# KiCad board Rogelio Pineda part 8-AMLDC-2044B.kicad_pcb (continued)
## Routing (per net, layer and track width the routed paths; a pad name or vN(x,y) marks a point on that pad's centre or on a via; arc(x,y) is an arc through that point) (continued)
V0p1: length 52.8
  Bottom w0.15: UV0.1 110.25,66.46 112.06,67.59 113.47,67.97 113.9,68.09 114.47,68.24 117.16,68.59 118.49,68.59 125.5,68.53 130.39,68.75 133.49,68.67 136.73,68.1 138.26,67.61 140.83,66.65 142.06,66.4 142.57,66.31 143.52,66.44 144.75,66.72 146.89,67.29 148,67.49 149.38,67.48 155.12,67.52 156.49,67.44 157.37,66.76 UV1.5 UV1.6
V0p4: length 36.8
  Bottom w0.15: 150.71,65.8 150.8,64.83 150.84,64.34 ; 150.84,64.34 150.85,64.35 ; 150.84,64.34 150.72,63.84 149.82,63.17 149.63,63.07 148.43,62.6 147.52,62.62 144.81,62.67 143.89,62.73 142.96,62.88 139.97,63.24 138.34,63.73 135.99,64.72 133.97,65.61 131.53,66.57 129.71,66.92 126.69,67.37 125.59,67.34 121.91,67.36 121.37,67.39 119.42,67.38 118.08,66.79 UV0.4
V0p9: length 168.8
  Top w0.15: 153.84,81.16 153.79,81.1 v1(153.72,81.1) 153.72,81.03 153.65,80.97 153.65,80.75 153.3,80.4 153.3,74.86 153.25,74.81 UV1.12
  Bottom w0.15: v1(153.72,81.1) 155.28,81.1 ; UV4.8 275.75,71.71 275.61,71.54 275.45,71.36 274.18,70.55 271.86,69.83 269.38,69.78 267.98,69.79 266.79,69.78 255.94,69.91 254.61,69.92 247.99,69.98 247.97,70.01 239.66,69.92 237.42,69.93 229.08,70.02 226.43,69.91 221.93,69.54 219.32,69.38 217.07,69.06 215.32,68.96 212.67,68.77 210.91,68.71 206.41,68.53 204.04,68.42 203.25,68.46 192.49,68.38 190.15,68.38 188.43,68.46 187.36,68.49 184.48,68.94 183.53,69.15 181.72,69.67 180.17,70.46 179.4,70.9 177.96,71.89 176.63,72.61 175.18,73.22 173.61,73.66 172.38,74.33 171.54,75.01 171.54,75.03 170.71,75.56 170.2,75.98 169.54,76.57 168.5,77.39 167.74,78 166.62,78.77 165.98,79.19 164.85,79.78 162.78,80.5 161.31,80.71 158.78,80.95 157.49,81.02 155.34,81.11 ; UV0.9 122.95,72.24 123.01,72.04 123.18,71.78 123.41,71.51 123.69,71.35 124.3,71.08 125.04,70.98 125.55,70.98 126.47,71.05 129.64,71.32 131.7,71.46 132.75,71.49 139.66,71.54 141.97,71.58 143.14,71.46 144.19,71.34 144.7,71.21 146.56,70.92 147.72,70.84 149.08,70.71 150.19,70.77 151.59,71.07 152.6,71.59 152.94,72.05 UV1.12
V0p12: length 49.1
  Bottom w0.15: UV0.12 115.77,71.94 116.68,71.03 118.02,70.26 120.39,69.72 122.14,69.62 124.33,69.66 125.47,69.72 126.24,69.7 129.35,69.93 130.19,69.9 131.03,70.02 132.14,70.05 137.12,70.24 138.83,70.22 140.57,70.17 143.26,69.93 144.49,69.86 150.29,69.72 152.74,69.86 155.64,70.01 158.03,70.28 159.34,70.84 160.15,71.47 160.5,71.97 UV1.9
V1p13: length 1153.9
  Top w0.15: 264.25,97.04 264.12,95.96 264.03,95.45 263.84,95.11 263.5,94.28 263.13,93.11 263.07,88.58 263.06,86.88 263.1,86.31 263.09,84.93 263.24,82.56 263.29,81.58 263.32,81.55 263.28,80.61 263.55,78.64 263.87,76.55 263.95,76.1 264.08,74.82 264.18,74.36 264.26,73.8 ; 281.45,246.64 281.76,237.8 282.31,233.26 283.05,226.74 ; 202.51,244.69 v1(202.45,244.79) 202.59,258.72 202.5,259.6 202.28,260.47 UK2.9 201.43,261.45 ; 154.75,337.65 v1(154.71,337.61) 154.79,336.1 155.18,334.55 155.46,332.89 UF1.11 ; 282.49,271.61 283.49,274.42 283.92,277.32 ; 264.26,73.8 264.28,73.66 264.12,72.78 ; 264.26,73.8 264.26,72.67 UV4.13 ; v1(218.29,99.81) 218.29,99.17 218.08,98.96 218.02,80.05 v1(218.08,75.79) ; 152.07,269.23 152.08,271 152,271.08 151.73,274.98 151.11,277.07 UJ1.13 ; 212.97,348.67 213.02,348.37 213.02,351.82 212.42,359.51 212.32,362.82 212.32,364.77 212.51,368.13 212.6,369.52 212.67,370.63 212.9,371.7 213.02,375.1 213,376.54 213.04,380.36 212.9,382.01 212.79,384.58 212.72,387.75 212.81,391.18 212.88,391.25 212.93,394.47 213.02,395.44 213.32,398.73 v1(213.48,399.44) ; 281.45,246.24 281.45,248.22 281.48,248.25 v1(281.48,250.33) 281.43,251.45 v1(281.65,268.24) 282.53,271.73 ; UM4.13 263.89,212.2 264.38,215.31 264.65,216.75 264.85,218 265.29,219.85 265.62,222.03 265.77,223.03 265.67,224.63 265.3,226.21 265.3,231.85 265.2,232.92 265.1,233.52 264.74,234.6 UL4.13 263.91,253.29 263.91,253.29 v1(263.91,253.43) 263.77,253.43 263.7,253.5 ; UM1.13 150.73,213.74 150.73,213.75 150.13,215.35 149.7,218.65 149.78,220.2 149.66,220.33 149.66,221.89 149.81,222.04 149.72,222.12 149.72,225.05 150.05,226.27 UL1.13 150.73,230.12 154.98,234.86 155.23,239.63 154.98,240.66 155.15,240.93 154.2,243.13 153.36,244.02 v1(153.3,244.08) 153.36,244.13 153.36,244.27 151.13,247.44 150.56,248.55 149.53,250.83 149.29,254.54 150.35,256.85 151.27,258.53 151.92,260.29 152.09,263.06 152.11,263.08 151.97,267.77 152.08,269.48 ; 213.02,348.44 212.72,346.44 212.32,344.68 211.79,340.33 v1(211.77,338.31) 211.81,338.26 211.81,323.74 211.7,302.59 211.65,301.66 211.61,297.42 211.42,295.68 211.58,266.49 211.56,265.27 211.67,257.53 v1(212.05,244.82) ; 148.74,86.6 v1(148.74,86.66) 148.59,85.17 148.56,84.89 148.44,84.34 148.39,82.96 148.42,82.08 148.44,81.32 148.56,80.74 148.76,80.12 148.89,79.59 149.04,78.71 149.53,77.53 149.72,76.82 150.04,76.06 150.35,75.14 150.49,74.65 150.71,73.42 ; UK7.4 386.61,255.09 385.66,256.28 385.17,256.88 384.25,257.69 383.65,258.47 383.44,258.82 382.97,259.64 UK7.13 ; 283.91,277.24 284.07,279.3 284.12,281.73 284.12,287.15 284.22,288.7 284.39,293.51 284.46,295.08 284.51,296.46 284.67,296.62 v1(284.67,297.21) ; v1(175.97,399.29) 175.97,402.99 v1(176,403.03) ; 289.38,43.92 289.35,43.92 v1(289.3,43.87) 289.25,43.92 288.12,44.12 287.64,44.45 286.73,45.63 286.14,48.4 v1(284.21,99.65) 284.12,100.63 284.34,102.43 284.85,106.11 285.01,118.72 284.43,172.03 284.48,172.56 284.48,183.09 284.58,184.73 284.55,189.85 284.58,192.25 284.55,204.87 284.42,205.56 284.02,212.87 283.7,215.99 283.7,221.19 283.11,225.59 283.05,226.9
  Bottom w0.15: 326.1,267.13 326.09,267.14 ; 326.09,267.14 327.01,266.8 328.4,266.01 330.27,263.98 331.69,261 332.07,259.2 332.88,255.42 333.2,253.66 333.87,251.26 334.64,249.88 335.26,249.1 335.95,248.93 337.5,248.3 341.14,247.76 342.48,247.63 343.26,247.48 364.22,247.22 364.26,247.26 364.64,246.88 366.07,246.88 368.93,246.86 375.88,246.77 379.18,246.7 ; 326.09,267.14 322.88,267.42 321.22,267.52 320.26,267.6 317.78,267.71 316.86,267.69 316.35,267.75 304.69,267.75 304.67,267.77 303.11,267.68 298.84,267.47 297.69,267.47 296.45,267.38 295.17,267.23 294.34,267.14 292.94,267.04 ; v1(284.21,99.65) 283.13,100.57 282.09,101.17 279.88,102.04 276.88,102.24 276,102.23 274.86,102.27 270.88,102.36 270.33,102.33 268.59,102.12 267.34,101.7 265.72,101.05 265.1,100.76 264.69,100.55 264.11,99.95 ; v1(148.74,86.66) 149.39,86.39 150.21,86.34 150.64,86.34 151.63,86.33 154.27,86.19 155.25,85.99 156.37,85.8 157.55,85.71 160.9,85.41 162.24,85.46 163.07,85.45 164.12,85.46 165.07,85.41 166.16,85.22 167.35,84.69 167.44,84.56 167.97,83.96 168.77,83.42 170.22,82.74 171.45,81.9 172.43,81.16 173.78,80.08 175.04,79.11 175.5,78.72 176.02,78.34 177.67,77.14 178.71,76.28 179.79,75.58 182.39,73.88 183.97,72.77 185.03,72.08 186.47,71.35 187.29,71.03 188.32,70.78 190.64,70.68 190.69,70.72 200.36,70.61 203.78,70.82 208.4,71.38 209.72,71.58 211.2,71.73 213.94,72.3 214.98,73 215.6,73.46 216.85,74.53 217.17,74.75 217.69,75.36 v1(218.08,75.79) ; 292.55,45.24 291.83,45.02 291.19,44.81 290.85,44.64 290.16,44.38 289.66,44.13 v1(289.3,43.87) ; 379.18,246.7 379.99,246.74 380.92,246.97 382.42,247.36 383.81,248.02 384.53,248.63 385.29,249.63 385.5,250.06 386.22,251.29 386.57,252.09 UK7.4 ; 379.18,246.7 379.39,246.69 ; v1(218.29,99.81) 218.29,100.74 218.38,101.7 218.83,102.81 219.18,103.49 219.88,104.24 220.66,104.59 221.26,104.8 222.51,105.08 223.44,105.06 226.15,104.47 228.32,103.88 229.05,103.7 230.18,103.32 231.31,103.09 233.3,102.8 233.74,102.79 235.62,102.79 237.2,102.75 242.31,102.77 244.11,102.78 245.14,102.78 253.45,102.77 256.35,102.37 258.06,101.93 260.2,101.42 262.93,100.81 263.61,100.47 264.11,99.96 264.25,97.04
  Bottom w0.2: 157.44,337.3 155.5,337.11 v1(154.71,337.61) ; v1(175.97,399.29) 176.82,399.52 177.09,399.69 177.97,399.94 ; 163.02,402.99 163.87,402.99 164.48,402.79 165.61,402.49 167.6,402.39 168.46,402.36 168.88,402.39 170.47,402.81 172.99,403.66 175.46,403.57 v1(176,403.03) ; v1(284.67,297.21) 284.67,297.8 284.5,297.97 283.18,298.12 276.34,298.09 275.26,297.49 274.62,296.61 274.36,295.89 UH4.11 ; v1(213.48,399.44) 212.76,399.8 211.68,400.18 207.9,400.16 205.3,400.07 188.96,400.04 187.36,400.22 186.8,400.27 184.87,400.37 183.46,400.5 182.3,400.51 180.85,400.55 179.34,400.36 177.76,399.88 ; v1(211.77,338.31) 208.61,339.19 205.7,340.13 199.89,340.78 198.88,340.87 196.42,340.87 194.38,340.94 192.59,340.94 191.86,340.95 189.85,340.86 188.17,340.72 183.72,339.96 180.57,339.39 175.16,338.77 170.19,338.55 168.09,338.41 165.98,338.18 164.08,338.13 162.83,338.02 161.06,337.71 159.19,337.53 158.53,337.43 157.86,337.29 156.97,337.29 ; v1(153.3,244.08) 156.38,243.94 159.12,244.13 165.36,244.48 166.15,244.52 170.14,244.66 171,244.66 172.24,244.7 182.09,245.17 183.8,245.21 190.13,245.36 191.35,245.25 192.92,245.03 195.76,244.6 197.18,244.22 199.91,244.04 202.03,244.32 v1(202.45,244.79) 202.62,244.62 210.3,244.62 210.91,244.58 211.5,244.82 v1(212.05,244.82) 212.78,244.96 214.34,245.53 215.86,246.07 218.87,246.95 220.13,247.22 223.46,247.51 225.63,247.61 231.28,247.61 231.32,247.65 237,247.73 239.29,247.74 243.43,247.83 245.91,247.85 247.88,247.98 248.7,248.16 250.55,248.63 253.66,249.95 255.78,250.76 258.42,251.97 260.12,252.85 261.48,253.21 262.38,253.48 263.2,253.7 v1(263.91,253.43) 264.38,253.74 264.66,253.82 265.53,253.94 268.52,253.55 268.95,253.44 271.77,252.95 273.17,252.6 276.1,251.96 279.1,251.21 280.74,250.93 281.24,250.57 v1(281.48,250.33) ; v1(281.65,268.24) 283.22,268.13 284.88,267.84 286.54,267.56 288.89,267 292.1,266.99 292.94,267.04
V3p1: length 48.4
  Bottom w0.15: UV4.6 UV4.5 271.38,66.21 271.22,66.64 271.06,66.83 270.04,67.77 269.75,68.03 268.86,68.51 260.78,68.64 237.39,68.65 236.31,68.56 233.01,68.04 232.56,67.92 230.51,67.16 229.2,65.86 UV3.1
V3p4: length 30.5
  Bottom w0.15: 260.57,67.58 259.33,67.5 241.55,67.44 240.3,67.55 238.55,67.46 237.6,67.04 UV3.4 ; 260.31,67.57 261.32,67.55 261.92,67.55 262.98,67.28 263.78,66.58 264,66.11 UV4.2
V3p9: length 193.2
  Top w0.15: 281.56,71.61 281.56,71.66 v1(281.58,71.67) 281.56,71.69 281.56,76.47 281.36,81.67 281.37,83.38 281.42,84.87 281.36,90.43 281.32,92.7 281.47,100.06 281.67,102.69 281.75,107.56 281.97,109.86 281.94,111.88 282.11,113.36 282.22,114.06 282.54,118.9 282.81,119.67 283.22,121.71 283.57,123.42 284.01,125.59 283.87,128.61 283.97,133.93 283.81,180.96 283.44,203.27 283.21,204.08 283.04,205.03 282.85,205.64 282.39,207.83 282.12,208.57 281.61,211.37 v1(281.31,212.18)
  Bottom w0.15: 243.55,75.64 243,75.33 242.46,74.87 242.25,74.69 241.98,74.44 241.84,74.27 241.71,73.63 241.9,72.84 ; 243.55,75.64 244.21,75.79 245.1,75.86 246.54,75.84 253.2,75.87 255.63,75.84 261.18,75.77 262.59,75.74 264.38,75.82 265.41,75.35 266.75,74.02 ; 243.55,75.64 243.43,75.61 ; UV4.12 266.66,73.93 266.75,74.02 ; 266.75,74.02 267.64,75.03 268.24,75.47 269.02,75.93 270.77,75.96 272.58,75.94 272.83,75.96 276.55,75.92 276.56,75.93 277.07,75.88 278.47,75.63 278.92,75.38 279.86,74.5 280.39,73.7 280.92,72.87 281.32,72.23 v1(281.58,71.67) ; UM4.8 276.4,211.92 276.98,212.51 277.04,212.45 280.77,212.45 v1(281.31,212.18)
V3p12: length 54.3
  Bottom w0.15: 222.49,72.39 v1(222.52,72.46) 224.24,71.83 228.06,71.02 232.49,71.05 233.73,71.23 234.15,71.51 234.28,72.12 UV3.12 235.14,71.97 235.65,71.6 236.76,71.15 240.07,71.24 244.36,71.25 251.3,71.29 253.2,71.31 260.86,71.19 262.92,71.12 265.56,71.09 268.87,71 269.62,70.98 271.77,71.08 273.06,71.55 273.48,71.9 UV4.9
V5p1: length 18
  Top w0.2: UV5.1 298.16,63.94 298.56,63.4 298.97,62.16 299.27,60.81 299.43,54.71 299.4,52.92 299.41,52.58 299.45,52.12 299.23,50.44 299.02,49.62 298.87,49.07 UW5.1
V5p4: length 18.8
  Top w0.2: UW5.2 301.28,49.52 301.48,50.67 301.75,52.47 302.03,54.22 301.99,56.92 301.9,57.74 302.02,58.77 302.28,59.38 302.56,59.98 303.12,60.69 304.59,62.88 305.23,63.65 UV5.4
V5p5: length 19.2
  Top w0.2: UW5.7 312.56,47.85 312.31,48.29 312.01,49.16 311.09,50.29 309.61,52.27 309.42,55.02 309.62,60.3 309.12,61.8 308.81,62.69 308.28,63.48 UV5.5
V5p9: length 5
  Top w0.2: 314.11,76.76 v1(314.11,76.74) 314.87,76.22 315.57,74.37 315.94,73.5 UV5.9
V5p12: length 19.3
  Top w0.2: UW5.10 313.03,56.07 312.86,57.1 312.52,58.09 312.29,59.29 312.18,59.89 312.09,60.76 312,62.81 311.96,68.24 311.48,69.03 311.41,69.23 310.86,69.81 309.79,70.56 308.68,71.64 308.32,71.88 UV5.12
V5p13: length 19.3
  Top w0.2: UW5.15 300.61,57.1 300.54,58.54 301.14,60.21 301.66,61.23 301.89,61.93 302.06,62.61 301.96,65.92 301.97,67.53 302.25,68.51 302.73,69.2 303.21,69.71 303.46,70.08 303.88,70.31 304.31,70.65 305.13,71.43 UV5.13
V6p9: length 18.2
  Top w0.15: UV6.9 354.71,70.58 354.48,69.93 354.08,68.7 353.92,67.8 353.82,66.5 354.08,64.79 353.87,61.81 354.1,57.8 354.45,56.72 354.94,55.24 UW6.9
V6p12: length 9.2
  Top w0.15: UV6.12 348.64,71.21 348.92,70.74 350.02,69.5 350.72,68.62 351.39,67.66 352.08,66.39 UV6.5
V6p13: length 8.1
  Top w0.15: UV6.13 344.94,70.46 344.49,69.33 344.08,67.9 343.58,66.62 UV6.1
V7p13: length 38
  Top w0.15: UV7.13 382.51,73.88 383.12,75.81 383.36,76.62 383.6,77.14 384.31,79.34 385.34,82.1 386.94,86.8 387.87,89.64 389.92,95.58 391.78,100.52 392.73,102.98 393,103.82 393.92,106.38 394.07,106.86 394.8,107.83
(no net): length 141.9
  Top w0.15: v1(321.56,40.95) 321.49,49.03 321.51,52.14 v1(321.69,65.02) ; 334.3,104.21 334.3,104.25 v1(334.35,104.3) 334.3,104.35 333.83,104.95 333.51,105.97 333.35,107.31 333.14,113.88 333.23,115.44 333.29,117.48 333.33,118 333.65,121.13 333.82,121.97 334.16,123.86 334.22,124.98 v1(334.16,125.28) ; v1(324.09,67.42) 324.25,45.74 v1(323.89,43.48) ; 363.57,54.32 363.54,54.35 363.54,54.45 v1(363.57,54.48) 363.54,54.52 v1(363.54,74.62) 363.54,74.85 ; v1(408.78,67.2) 408.85,72.79 408.78,73.97 v1(408.65,74.78) ; v1(336.56,62.35) 336.74,61.01 v1(336.5,45.62)
  Bottom w0.15: 123.59,312.75 120.32,312.81 117.86,312.89 109.8,313.09 107.33,313.84 105.49,314.25 103.65,314.54 102.18,314.28 100.33,312.81 v1(100.05,312.81) ; v1(126.79,312.65) 125.81,312.81 123.52,312.75
/C14p2: length 7.6
  Top w0.15: C14.2 222.79,397.46 222.79,396.95 222.08,395.54 220.62,393.03 220.53,391.45
/C29p1: length 7.5
  Bottom w0.2: C29.1 189.64,389.01 188.5,389 187.84,389 186.26,389.11 185.77,389.09 185.07,389.05 R50.2
/Pad6p6: length 2.6
  Top w0.15: 273.98,302.51 273.98,302.6 v1(274,302.62)
  Bottom w0.15: v1(274,302.62) 274.23,302.85 UG4.6
/Pad14p14: length 6.1
  Top w0.15: C12.2 269.12,315.82 267.88,315.62 267.4,315.38 267.39,315.37 267.04,315.03 266.84,314.71 266.61,314.28 UG4.14
/Pad15p15: length 11.5
  Bottom w0.15: R68.2 262.25,315.73 263.11,315.75 263.83,315.71 C12.1 264.37,315.2 264.53,315.04 264.07,314.58 UG4.15
/R50P2: length 55.9
  Top w0.15: CR3.1 182.07,386.59 181.95,381.79 181.89,381.04 181.88,380.91 C28.2 181.05,378.68 179.26,376.63 178.43,375.31 177.18,373.38 v1(177.04,371.78)
  Bottom w0.2: C28.2 183.2,379.64 184.85,380.04 189.9,379.69 192.25,379.71 193.55,380.23 196.73,381.1 199.62,381.34 205.7,381.48 208.76,381.24 210.31,381.24 212.33,381.2 CR4.1 ; R12.1 177.01,371.75 v1(177.04,371.78)
/SW1p2: length 8.2
  Top w0.25: SW1.2 420.76,56.78 419.74,55.76 C21.1
/UG4A: length 5.7
  Top w0.15: 280.39,302.45 280.28,302.35 v1(280.2,302.35) 280.2,302.26 279.52,302.28 277.87,302.4 277.35,302.75 277.32,302.75 277.15,303.09 276.85,303.61 276.77,303.69 UG4.7
A77: length 63.9
  Top w0.15: 88.78,255.3 R35.2 ; 87.95,262.2 87.36,263.11 87,263.64 85.43,265.94 83.93,267.86 83.09,268.88 82.31,269.53 81.93,269.85 81.11,270.25 80.32,270.43 76.05,270.43 J1.77 ; 87.9,262.28 88.41,261.03 88.58,260.03 88.79,258.06 R36.1
  Bottom w0.15: R35.2 88.78,255.3 R36.1 91.14,257.79 92.15,257.59 93.43,257.47 94.69,257.18 R4.1 99.75,256.31 102.37,255.87 107.5,255.33 108.98,255.06 111.26,255.13 115.09,256.18 116.51,256.2 122.7,256.35 124.08,256.42 125.07,256.66 126.17,257.23 127.16,257.95 127.41,258.17 UK0.9
B1p2: length 12.5
  Top w0.25: UB1.2 150.32,396.41 148.73,397.65 147.58,398.05 146.48,397.95 145.18,397.45 143.65,396.32 R38.2 143.65,392.87 C45.2
B1p3: length 54.5
  Top w0.2: UE1.3 153.85,345.87 154.36,348.68 154.51,354.66 154.42,356.02 154.79,358.92 155.46,360.9 UD1.4 155.8,363.62 155.79,365.18 155.6,365.54 155.62,365.82 154.79,367.14 154.36,367.94 154.36,371.34 154.4,372.26 154.44,371.77 154.44,378.36 154.37,378.43 154.37,386.54 154.39,386.55 154.47,389.83 154.67,391.41 153.69,393.94 152.86,394.67 UB1.3
B1p9: length 6.4
  Top w0.25: UB1.9 160.48,403.97 160.95,404.43 160.97,404.67 R77.2 164.88,406.15 C16.1
B1p11: length 146.8
  Top w0.15: UG2.12 193.84,314.19 193.69,313.43 193.48,312.17 192.85,311.22 191.32,310.72 189.88,311.19 189.43,312.01 189.64,313.8 189.88,314.53 189.98,317.89 190.11,318.23 190.32,319.39 189.98,322.83 189.69,327.01 189.06,328.14 v1(189.06,328.56) 189.06,328.53 ; v1(172.18,329.88) 172.39,330.87 172.76,331.97 172.79,333.96 172.59,337.58 172.13,340.17 171.7,345.45 171.7,348.88 171.6,350.32 171.84,354.14 172.78,355.78 173.27,356.93 173.39,357.87 173.39,362.98 173.38,364.34 173.26,366.6 173.22,368.17 173.52,371.32 173.8,373.43 173.87,374.56 173.93,376.27 174.15,380.95 174.29,381.99 174.39,384.8 174.54,386.17 174.37,389.98 173.61,394.9 173.38,397.95 173.29,398.84 v1(173.29,401.93)
  Bottom w0.2: UF1.9 161.08,330.5 161.43,330.17 162.08,329.82 162.27,329.73 163.6,329.64 170.79,329.63 v1(172.18,329.88) 172.51,329.81 172.8,329.77 175.33,329.59 175.9,329.58 177.14,329.49 178.14,329.42 179.63,329.41 181.43,329.24 181.99,329.14 183.9,329.13 185.14,328.99 185.62,328.87 186.5,328.78 186.99,328.71 187.73,328.71 188.23,328.56 v1(189.06,328.56) ; v1(173.29,401.93) 173.29,402.21 172.19,401.7 169.99,401.06 167.95,401 166.45,401.03 162.01,400.95 159.57,400.86 158.3,400.9 157.17,401.12 156.04,401.8 UB1.11
B1p12: length 312.2
  Top w0.15: v1(169.51,369.89) 168.78,369.02 168.24,367.16 168.04,365.77 168.04,364.58 167.89,355.91 167.92,353.5 167.75,342.28 167.81,341.37 167.7,339.33 167.72,337.92 167.73,332.17 167.62,327.78 167.72,309.89 167.75,308.88 167.8,305.73 167.7,301.39 167.81,277.23 167.72,273.44 167.87,267.74 167.89,264.65 167.84,256.15 167.89,249.7 167.89,243.86 167.92,241.96 168.06,212.67 167.93,207.79 168.29,205.22 168.63,203.52 169.74,200.94 170.47,199.5 170.64,192.9 170.31,190.91 169.83,188.9 169.2,186.31 168.9,184.97 168.32,182.25 168.18,180.49 168.01,165.47 168.07,162.65 168.26,160.87 168.88,158.23 169.43,156.75 170.1,155.24 170.45,154.02 170.6,150.41 170.63,149.66 170.74,127.2 170.25,125.7 169.16,123.34 168.5,121.42 168.34,116.76 v1(168.6,115.15)
  Top w0.25: UD1.8 163.11,371.04 161.1,372.35 159.71,373.7 159.37,374.99 159.23,378.51 159.32,383.67 159.37,392.6 159.16,397.81 158.53,399.05 157.31,399.75 154.79,400.67 153.41,401.67 UB1.12
  Bottom w0.2: UD1.8 164.67,369.87 165.47,369.9 169.45,369.95 v1(169.51,369.89) ; UT1.10 UT1.9 162.09,115.3 163.41,114.74 164.5,114.78 165.81,114.84 167.78,115.33 v1(168.6,115.15)
B1p13: length 270.8
  Top w0.15: 173.71,333.63 173.75,330.55 173.24,326.17 173.25,324.01 173.33,323.23 173.65,321.35 173.85,319.7 173.63,317.05 173.4,315.17 172.73,312.01 173.31,308.87 173.55,308.09 173.81,306.05 174.03,304.8 174.07,303.63 174.02,300.83 174.03,300.27 173.8,295.73 173.88,289.67 173.98,281.2 173.98,280.47 174.02,274.31 174.06,273.47 173.94,267.64 173.95,265.53 173.92,262.74 173.97,258.81 173.94,254.61 174.07,251.36 174.07,247.89 174.09,247.55 174.09,242.96 174.07,242.48 174.17,239.23 174.17,225.34 174.15,224.63 174.08,221.42 174.08,210.05 173.88,195.11 173.93,192.19 173.32,184.88 172.97,183.62 172.76,182.45 172.22,180.54 171.9,178.44 171.86,176.86 171.96,171.86 v1(172.26,170.34) ; v1(175.45,367.66) 174.88,367.09 174.7,357.85 173.89,356.06 173.13,354.05 172.87,352.51 172.72,351.34 172.72,349.6 172.58,348.11 172.77,343.37 173.22,340.3 173.71,333.5
  Top w0.25: UB1.13 151.62,399.25 151.53,393.4 151.48,392.27 151.16,390.31 151.74,387 151.97,385.21 151.85,385.09 151.85,373.45 151.76,373.37 152,371.86 152.92,370.8 UD1.12
  Bottom w0.2: v1(172.26,170.34) 171.47,169.78 169.34,168.82 166.77,168.21 165.48,167.92 163.91,167.9 162.87,168.07 162.05,168.69 161.98,168.89 UP1.9 UP1.10 ; v1(175.45,367.66) 175.04,367.66 171.81,367.74 156.61,367.88 155.17,368.03 154.37,368.6 UD1.12
B2p2: length 11.6
  Bottom w0.2: v1(183.32,395.82) 183.38,395.76 R58.2 185.92,393.17 186.62,392.87 188.31,392.65 189.16,392.77 190.9,393.92 UB2.2
B2p5: length 11.3
  Top w0.15: UB2.5 198.78,394.15 199.1,393.72 199.64,392.95 200.69,391.55 201.2,391.18 202.18,390.35 202.24,390.35 202.24,390.14 C13.1 R70.2
B2p6: length 389.4
  Top w0.15: 138.84,375.84 138.63,374.23 138.35,372.13 137.82,370.33 137.56,365.44 137.64,363.26 137.51,361.62 137.4,341.98 137.29,340.75 137.2,334.38 137.2,333.49 137.12,330.59 136.9,328.01 136.82,326.47 136.63,322.3 136.59,320.39 136.41,318.55 136.39,317.12 135.97,309.14 135.87,307.75 135.93,305.95 136.31,303.62 136.21,300.75 135.96,299.38 135.75,297.71 135.81,296.42 135.97,289.44 135.97,288.27 135.93,285.53 135.92,284.67 135.97,282.25 136.39,280.11 136.92,276.54 136.91,275.75 137.12,268.84 137.26,267.11 137.52,264.25 137.86,261.99 138.55,255.8 138.63,255.33 139.02,252.44 138.91,250.58 138.25,248.34 137.65,246.73 136.96,244.79 136.45,243.62 136.25,242.61 135.87,241.51 135.49,240.16 135.28,238.56 ; 138.87,375.52 138.47,378.67 137.8,380.5 136.98,383.06 135.81,386.29 134.8,389.95 133.77,392.27 133.33,394.03 132.62,395.84 131.88,397.86 v1(131.51,399.04) ; 130.97,190.2 130.99,187.42 130.95,183.47 130.95,179.1 130.91,179.06 130.73,172.4 130.63,167.58 130.59,156.19 130.77,149.72 131.03,147.14 131.07,145.37 131.41,140.33 131.84,137.81 131.9,136.12 132.75,130.97 132.96,129.49 133.21,128.29 132.87,115.79 v1(132.85,110.88) ; 135.3,238.78 135.18,237.55 135.14,235.64 ; 130.98,189.44 130.99,191.25 131.45,194.36 132.06,196.43 133.51,199.11 134.07,200.32 134.82,202.54 135.1,204.13 135.18,233.68 135.1,234.67 135.14,234.64 135.18,235.8
  Bottom w0.15: v1(132.85,110.88) 133.19,110.58 136.65,110.09 137.86,110.02 140.37,109.96 142.2,109.93 144.35,110.09 147.58,110.64 150.12,110.83 151.01,110.88 152.19,110.98 153.49,110.94 154.29,110.64 154.74,110.22 155.83,108.9 UT1.4
  Bottom w0.2: UB2.6 201.23,396.28 199.87,397.25 198.73,397.91 192.09,397.68 190.06,397.67 188.64,397.97 187.23,398.27 185.54,398.64 183.49,398.57 181.34,398.33 180.31,397.77 179.04,396.9 176.89,396.21 174.56,395.94 172.65,396.02 171.38,396.48 167.41,397.95 165.33,398.34 162.63,398.49 160.38,398.59 154.37,399.13 150.93,399.7 144.78,400.05 140.66,400.09 139.39,399.9 136.15,399.58 134.47,399.54 132.79,399.28 v1(131.51,399.04)
B2p8: length 203.4
  Top w0.15: v1(208.73,222.47) 208.54,222.67 208.9,223.36 208.43,297.11 208.42,344.12 208.51,346.95 208.57,348.43 208.63,349.25 209.35,351.02 210.07,352.75 210.54,354.68 210.67,356.28 211.2,360.35 211.26,362.72 211.43,365.47 211.45,367.22 211.82,373.96 211.86,374.77 211.93,374.87 211.93,381 211.8,381.84 211.62,389.98 211.68,393.13 211.54,402.65 v1(211.89,402.99)
  Bottom w0.2: 207.64,222.9 207.48,222.92 ; 207.48,222.92 207.93,222.78 v1(208.73,222.47) ; 207.48,222.92 206.57,223.03 204.83,223.15 201.73,223.16 201.08,222.96 199.74,222.36 199.66,222.17 199.43,221.95 199.33,221.81 UL2.5 UL2.4 ; v1(211.89,402.99) 211.89,403.22 210.62,403.37 209.1,403.35 207.48,403.28 206.72,403.24 205.14,403.19 UB2.8
B2p10: length 8.7
  Top w0.15: UB2.10 198.69,404.4 199.28,404.97 200.09,405.63 200.7,405.9 201.5,406.15 201.5,406.15 R91.2 204.15,405.95 C30.1
B2p12: length 703.8
  Top w0.15: 139.92,201.74 140.29,203.56 v1(140.67,204.62) ; 251.47,65.62 v1(251.35,65.68) 251.98,66.96 252.3,69.03 252.3,71.27 252.4,74.05 ; v1(139.23,65.64) 138.68,67.12 138.62,68.56 138.52,69.19 138.54,69.57 138.49,70.38 138.65,106.14 138.53,110.47 138.03,114.29 138.42,120.19 138.42,122.94 138.47,124.44 138.57,126.53 138.53,126.57 138.55,127.5 138.61,128.16 138.61,129.28 138.49,131.74 138.33,135.55 138.37,135.59 138.2,137.24 138.03,140.85 138.12,144.15 138.2,148.82 138.27,148.89 138.25,148.91 138.25,155 v1(138.33,155.07) 138.22,156.95 138.08,158.28 137.87,160.41 137.72,161.44 137.68,163.19 137.66,163.21 137.66,169.99 137.8,172.1 137.94,174.16 138.49,179.72 138.49,179.52 ; 252.32,72.65 252.28,77.34 252.16,80.2 252.03,119.94 252.07,119.98 252.13,124.63 251.23,156.25 251.27,158.42 v1(251.67,159.57) 253.29,166.55 253.09,170.73 253.22,173.98 253.53,175.71 253.69,183.96 253,187.39 252.82,189.59 252.98,192.79 252.87,201.73 v1(252.74,203.34) ; 139.95,202.03 139.66,199.67 139.33,197.35 139.37,197.31 139.26,192.98 139.17,189.6 138.85,183.43 138.72,182.55 138.49,179.12
  Top w0.25: v2(137.78,403) 137.93,402.1 138.18,400.5 ; v2(134.98,198.35) 135.63,200.25 135.93,201.4 136.43,207.6 136.43,210.3 136.33,221.45 138.63,233.7 138.48,243.45 138.68,246.6 139.28,248.3 139.93,249.75 140.18,251.55 139.83,254.85 139.53,258.1 139.28,258.95 138.53,265.3 138.18,267.15 138.03,275.55 137.98,276.85 137.63,279.5 136.83,283.05 136.98,289.6 136.93,292 136.78,294.6 136.83,298.5 137.33,302 137.28,303.5 136.93,306.2 136.93,309.75 137.23,313.75 137.58,316.75 138.33,330.45 138.43,332.9 138.83,353.8 138.93,362.9 139.03,368.85 139.78,374.85 139.63,379.4 138.73,384.9 138.53,396.75 138.18,400.5 ; 138.18,400.5 138.18,400.35
  Bottom w0.15: v1(139.23,65.64) 139.42,65.34 140.67,65.2 145.08,65.29 146.39,65.34 147.03,65.45 UV1.1 ; v1(251.35,65.68) 253.13,65.63 253.87,65.61 260.69,65.61 UV4.1
  Bottom w0.2: 137.07,200.25 139.4,202.69 139.93,203.31 140.67,204.46 v1(140.67,204.62) 140.88,204.41 146.81,204.41 UM1.1 ; 137.07,200.25 135.17,198.35 v2(134.98,198.35) ; 137.07,200.25 137.07,200.29 ; UM4.1 260.01,203.83 256.14,203.74 253.71,203.45 v1(252.74,203.34) ; 179.38,158.41 206.44,158.41 206.48,158.45 206.69,158.37 209.89,158.2 214.91,157.42 220.08,157.29 221.59,158.26 222.47,158.88 224.07,160.16 226.08,160.41 229.54,159.23 230.97,158.77 247.1,158.81 248.52,159.15 250.39,159.72 251.67,159.9 v1(251.67,159.57) ; 179.38,158.41 179.42,158.45 ; 179.38,158.41 172.97,158.11 171.2,158.06 162.46,157.03 159.57,156.93 149.06,156.6 146.74,156.52 141.42,155.87 139.98,155.28 v1(138.33,155.07) ; v2(137.78,403) 138.45,402.83 139.01,402.7 140.38,402.38 141.5,402.01 144.13,401.33 145.99,401.05 147.23,400.99 149.5,400.86 150.16,400.87 153.4,400.67 157.36,399.77 165.99,399.81 167.7,399.86 168.76,399.9 172.59,400.02 174.56,400.38 177.38,401.18 180.52,401.73 185.6,401.6 187.62,401.11 189.93,401.05 192.88,401.37 UB2.12
B2p13: length 50.7
  Top w0.15: 191.07,368.65 191.07,370.05 190.95,370.4 190.97,370.81 190.72,371.53 190.31,372.71 190.24,373.3 189.88,376.29 189.79,376.38 189.79,379.84 189.81,379.86 189.88,386.18 189.36,389.26 189.25,390.75 189.38,391.93 189.5,393.18 189.84,394.6 189.88,397.32 190.81,398.52 192.3,399.46 ; 192.78,398.32 193.44,398.52 193.93,398.68 196.36,399.49 198.92,400.1 200.59,401.33 201.04,402.91 UB2.9 ; 192.78,398.32 192.89,397.91 193.23,396.98 UB2.3 ; 192.78,398.32 192.39,399.31 192.3,399.46 ; 192.3,399.46 192.12,399.74 191.81,400.87 191.53,401.73 UB2.13
B3p4: length 106.4
  Top w0.15: v1(253.86,371.89) 253.09,372.53 252.69,373.77 252.55,375.89 252.52,376.59 252.78,379.95 252.75,381.54 252.85,382.56 252.98,384.78 253.04,386.08 253.23,386.95 253.46,388.21 253.58,388.7 253.58,390.35 253.98,390.75
  Bottom w0.15: v1(253.86,371.89) 255.14,372 255.99,372.25 258.5,372.7 259.17,372.84 260.59,372.99 261.98,373.25 263.71,373.43 265.9,373.52 267.82,373.6 273.14,373.02 274.89,372.57 277.12,371.39 280.28,368.97 281.5,368.25 282.15,368.04 284.14,368.2 285.1,368.64 286.26,369.26 287.9,370.1 289.11,370.77 291.15,371.11 291.93,371.25 292.74,371.52 293.54,371.88 306.12,372.11 308.38,371.97 310.31,371.9 311.22,371.74 312.71,371.18 314.77,369.93 315.87,369.15 316.44,368.32 UD5.9 ; UB3.4 237.02,391.94 238.5,390.93 239.41,390.73 241.53,390.75 242.79,390.68 247.43,390.77 247.44,390.76 253.41,390.9 R2.2
B3p6: length 26.4
  Top w0.25: UB3.6 UB3.5 239,392.17 237.73,390.9 234.83,390.9 233.92,391.81 UB3.3
  Bottom w0.15: R29.1 223.14,390.72 226.12,390.58 227.71,390.52 232.71,391.01 233.71,391.58 234.01,392.08 UB3.3
B3p8: length 128.4
  Top w0.25: UB3.8 UB3.9 241.54,399.76 239.83,398.05 235.13,398.05 233.92,399.26 UB3.12 UB3.13
  Bottom w0.15: 324.1,394.12 325.41,393.51 326.1,392.82 326.82,391.59 326.85,389.92 326.1,388.5 325.06,387.69 321.12,386.43 318.63,385.97 314.98,386.12 311.38,386.05 310.2,385.46 309.73,385.02 309.47,384.25 UC5.10 ; 293.84,395.77 308.85,395.6 311.24,395.55 313.97,395.59 315.48,395.45 321.08,395 323.45,394.53 324.22,394.05 ; 293.84,395.77 292.61,395.7 274.6,396.17 272.63,396.37 267.3,396.71 264.47,396.97 256.43,397.15 251.78,397 245.24,396.97 244.22,397.07 243.05,397.56 241.96,399.41 UB3.9 ; 293.84,395.77 294.05,395.78
B3p10: length 140.6
  Top w0.15: 176.97,361.41 176.96,361.4 ; 176.97,361.41 177.03,361.47 ; 176.97,361.41 177.03,361.47 ; R3.2 176.3,328.41 176.4,330.31 176.46,332.26 175.99,334.53 176.17,337.19 176.24,339.44 176.53,342.51 176.73,344.48 177.12,347.65 177.08,348.39 177.08,350.5 177.02,351.36 176.9,354.33 176.85,355.73 177.03,361.47 ; 178.15,383.06 178.15,391.74 178.13,391.76 178.13,398.38 v1(178.02,398.49) ; 177.03,361.47 177.03,364.46 177.06,364.5 177.06,367.46 176.79,368.41 176.44,369.18 175.99,369.99 175.39,371.21 175.07,372.79 175.29,373.49 175.58,374.49 176.32,376.07 177.23,378.01 177.94,380.15 178.23,381.96 178.15,383.15
  Top w0.25: UB3.10 UB3.11
  Bottom w0.2: 232.24,398.54 232.28,398.57 ; 232.28,398.57 229.14,398.76 227.76,398.77 227.2,398.87 225.55,398.8 224.48,399.29 222.34,399.32 219.36,398.07 218.54,397.81 217.76,397.37 216.62,396.58 CR4.2 214.07,396.02 212.77,396.43 211.67,396.63 210.82,396.86 209.19,397.37 207.43,397.85 204.89,398.43 203.09,398.69 193.61,398.81 192.26,398.79 190.59,398.82 188.79,398.98 185.99,399.42 184.2,399.52 183.13,399.49 181.59,399.35 180.53,399.12 ; 232.28,398.57 235.21,398.56 236.26,399.63 UB3.11 ; 180.61,399.14 179.29,398.73 178.74,398.43 v1(178.02,398.49)
B4p1: length 23.8
  Top w0.15: UC4.9 273.81,385.07 272.78,386.28 271.83,386.89 270.96,387.96 270.92,389.54 271.15,391.17 UB4.5 271.5,393.37 269.87,395.09 268.24,395.5 267.64,395.58 264.49,395.52 263.95,395.35 263.52,395.13 262.97,394.83 262.67,394.58 262.52,394.38 261.72,393.72 261.72,393.06 UB4.1 261.34,393.14
B4p6: length 4.4
  Top w0.15: C42.1 273.17,389.69 273.57,390.65 UB4.6
B4p7: length 10.8
  Top w0.15: C42.2 278.1,389.58 276.64,391.62 UB4.7
  Bottom w0.15: C42.2 278.83,389.19 279.29,389.65 282.29,389.7 R87.1
B4p10: length 242.7
  Top w0.15: v1(405.09,349.25) 404.95,350.02 404.62,350.96 404.45,351.54 404.19,352.15 403.82,353.45 403.71,354.35 403.57,355.89 403.56,358.53 403.7,365.3 403.4,367.21 403.24,367.77 403.06,368.81 402.92,370.22 402.87,370.62 402.76,371.23 402.76,377.74 402.7,378.29 402.73,379.15 402.89,381.13 403.01,381.73 403.3,383 403.43,383.51 403.68,384.38 404.1,385.16 404.34,385.88 404.44,386.36 v1(404.54,387.25) ; UC6.11 350.95,384.64 350.53,385.41 350.09,385.86 349.57,386.31 348.68,386.56 348.09,386.65 347.25,386.78 345.21,386.85 v1(344.67,386.6) 344.63,386.56 ; 331.38,387.34 331.16,387.56 v1(331.16,402.49) ; UB4.10 275.91,398.41 275.35,396.76 275.32,391.57 275.35,391.54 275.35,387.56 275.37,387.53 275.37,382.12 275.35,372.6 274.98,371.33 274.53,369.74 274.4,369.56 UD4.9
  Bottom w0.15: UC6.11 351.73,385.33 352.66,386.32 354,386.58 355.37,386.74 364.54,386.54 375.46,386.67 376.14,386.73 377.68,386.76 378.53,386.77 379.31,386.81 384.46,386.97 386.01,386.96 392.68,387.07 393.05,387.04 394.52,387.07 399.04,387.09 399.81,387.08 402.28,387.07 402.73,387.07 403.56,387.13 v1(404.54,387.25) ; 422.06,346.43 422.07,346.43 ; 422.06,346.43 421.73,346.02 421.01,345.62 419.93,345.46 416.52,345.46 415.55,345.7 414.46,346.25 413.38,347.07 413.06,347.36 412.66,347.61 411.23,348.51 409.45,348.82 408.7,348.85 406.8,349.01 405.95,349.04 v1(405.09,349.25) ; 422.06,346.43 422.06,347.4 UE8.12 ; v1(344.67,386.6) 344.29,386.88 335.71,387.33 ; UB4.10 278.3,398.81 279.87,397.9 281.97,397.41 290.35,397.27 292.48,397.2 293.92,397.14 304.33,397.09 307.31,397.14 311.62,397.39 312.72,397.9 313.28,398.16 313.91,398.66 314.23,398.98 UB5.8 315.17,401.07 315.9,401.22 318.33,401.91 320.19,402.42 321.78,402.91 321.98,402.91 329.29,403 330.25,402.98 330.92,402.98 331.16,402.75 v1(331.16,402.49)
  Bottom w0.2: 335.71,387.33 333.46,387.49 332.41,387.54 v1(331.01,387.54)
B4p13: length 43.6
  Bottom w0.15: UB5.12 304.76,400.55 304.22,402.34 303.25,402.95 302.94,402.93 301.99,403.02 300.5,403.07 299.73,403.01 297.82,402.6 294.68,401.49 293.59,401.46 292.47,401.28 288.12,401.13 283.68,401.42 283.03,401.8 282.07,402.37 280.38,402.97 277.11,403.69 275.08,403.96 273.01,404.51 271.56,404.91 270.81,405.01 270.45,404.93 269.41,404.75 269.25,404.57 268.88,404.25 268.56,403.85 268.53,402.57 268.72,401.83 UB4.13
B4p14: length 6.5
  Top w0.15: C41.2 269.67,403.66 267.68,403.3 266.63,402.4 266.43,400.31 UB4.14
B4p15: length 10.9
  Top w0.15: 264.12,403.06 C41.1
  Bottom w0.15: UB4.15 264.38,402.22 C41.1 263.29,403.1 262.49,403.62 261.8,403.67 260.36,403.74 258.55,403.74 ; 258.55,403.74 258.53,403.72 ; 258.55,403.74 257.67,403.74 R1.2
B5p1: length 33.9
  Top w0.15: UD5.1 299.5,360.69 299.8,362.45 300.13,363.73 300.2,364.99 300.24,365.54 300.23,366.28 300.11,366.92 300.13,367.39 300.15,368.23 299.45,370.69 299.59,371.12 299.84,372.69 300.22,374.22 300.25,387.72 300.26,387.73 ; 300.25,387.49 300.26,388.05 299.88,389.57 299.56,390.67 299.25,391.11 298.98,391.3 UB5.1
B5p2: length 9.1
  Top w0.15: UB5.2 301.52,391.34 301.56,391.12 301.66,390.53 301.96,389.27 301.8,386.57 301.59,385.32 UC5.13
B5p3: length 2.5
  Bottom w0.15: UB5.3 UB5.4
B5p9: length 416.5
  Bottom w0.2: 442.51,343.8 442.76,373.82 442.94,382.41 442.99,385.83 443.05,389.88 443.04,391.55 443.2,392.62 442.81,395.45 442.04,397.3 441.46,398.46 440.54,399.75 438,401.43 432.76,402.09 431.04,402.16 426,402.4 423.15,402.69 418.88,403.21 386.66,403.21 385.49,403.22 383.74,403.2 382.34,403.24 380.34,403.13 378.79,403.09 376.86,402.71 375.34,402.51 374.4,402.38 373.87,402.27 371.3,401.78 370.1,401.36 368.42,400.21 367.82,399.74 367.6,399.45 367.09,398.9 365.83,397.9 361.73,397.13 358.39,397.09 353.84,396.94 350.24,396.87 348.85,396.79 344.46,396.45 343.28,396.25 339.71,395.91 338.79,395.79 338.14,395.76 335.91,395.69 334.55,396.44 333.92,397.24 333.63,398.54 333.47,399.49 333.59,401.21 332.93,401.87 333.05,405.03 332.84,405.71 331.33,406.42 329.35,406.37 328.02,406.11 323.25,405.34 321.45,404.92 318.64,404.31 316.35,403.87 314.24,403.15 312.42,401.92 UB5.9 ; 442.51,343.8 442.51,343.68 ; 442.51,343.8 442.96,338.77 443.03,337.23 443.05,336.34 443.19,335.16 443.13,326.39 443.19,322.72 443.07,301.46 442.76,298.37 441.43,292.01 440.45,279.64 441.92,269.34 442.43,259.73 442.53,243.97 442.36,235 441.93,212.33 439.83,198.6 438.71,187.14 437.96,178.51 437.96,171.84 437.71,148.3 437.65,145.75 437.57,144.69 437.4,126.27
B5p10: length 7.7
  Top w0.15: UB5.10 308.98,398.67 308.91,393.49 UB5.5
B6p4: length 267.5
  Top w0.15: v1(400.17,367.49) 400.48,367.36 401.23,366.16 401.83,364.77 401.48,359.83 401.38,358.83 401.37,358.09 401.34,357.85 401.3,356.34 401.31,355.83 401.33,355.54 401.46,353.98 401.86,352.87 402.19,352.01 402.53,350.97 402.62,349.29 401.9,346.07 401.58,339.06 401.48,335.43 401.28,330.59 401.15,324.27 401.12,320.12 ; 385.13,370.11 v1(385.13,370.13) 384.94,370.78 384.91,370.97 384.65,372.31 384.42,373.15 384.24,374.56 384.29,376.96 384.33,379.69 384.25,380.34 383.97,381.72 382.92,383 UC7.13 ; v1(401.86,309.73) 401.86,310.5 401.5,311.8 401.46,312.29 401.28,313.23 401.01,317.9 401.12,320.43 ; v1(363.07,380.89) 363.12,381.39 363,382.99 362.83,383.77 362.72,387.13 362.72,387.92 362.72,391.1 362.69,391.32 362.76,391.99 362.89,392.68 v1(363.11,393.63)
  Bottom w0.15: v1(363.11,393.63) 363.11,394.16 362.58,394.4 360.96,394.72 355.4,394.84 354.25,393.99 UB6.5 UB6.4 ; v1(401.86,309.73) 401.09,309.52 400.11,309.19 399.34,309.06 398.36,308.82 397.44,308.62 395.78,308.21 394.87,308.04 393.53,307.93 392.83,307.81 388.38,307.81 386.34,307.76 385.69,307.78 376.25,307.78 ; 395.92,369.14 396.39,369.23 397.74,368.81 398.64,368.48 399.48,368.16 v1(400.17,367.49) ; 395.92,369.14 394.71,369.52 393.89,369.69 392.9,369.84 390.48,369.95 388.41,369.92 387.22,370.08 v1(385.13,370.13) ; 395.92,369.14 395.46,368.47 395.14,367.62 UD7.8 ; UC7.13 381.94,382.22 381.69,382.03 381.42,381.88 381.11,381.72 380.35,381.55 376.4,381.48 373.9,381.47 366.39,381.22 v1(363.07,380.89) ; 376.39,307.78 375.2,307.77 373.81,307.64 372.96,307.64 370.65,307.23 369.78,306.97 368.25,306.67 367.29,306.6 365.72,306.6 362.06,306.64 360.92,306.73 350.34,306.97 340.07,306.85 335.86,306.34 333.83,306.1 332.35,306.22 329.05,306.42 326.44,307.25 323.63,308.15 318.89,309.18 314.07,309.14 313.3,309.17 312.61,309.08 311.85,309.06 311.16,309.01 310.38,308.95 309.5,308.9 307.86,308.66 306.5,308.49 305.92,308.39 305.02,308.33 294.44,308.16 292.73,308.14 291.45,308.15 289.97,307.97 289.21,307.67 288.43,307.08 288.12,306.06 288.16,304.71 288.45,304.18 288.43,304.18 289.25,303.1 290.25,302.63 290.92,302.43 292.28,303.03 293.11,303.57 293.78,303.85 294.61,304.43 296.21,304.62 296.87,304.66 UG5.1
B6p6: length 18.2
  Top w0.15: UB6.6 356.23,393.21 356.05,393.65 355.97,398.5 UB6.9
  Top w0.25: UB6.9 356.06,400.03 R80.1
  Bottom w0.15: UB6.9 UB6.10 ; R80.1 C7.2 357.31,406.58
B6p11: length 175.4
  Top w0.15: UB6.2 346.43,393.68 346.64,394.25 347.37,394.96 349.05,396.08 349.73,396.84 350.23,397.46 350.31,397.66 350.77,398.74 UB6.11 ; 406.05,396.07 v1(406.05,396.05) 406.07,396.05 406.24,395.88 406.6,395.06 406.91,394.46 407.07,394.12 407.38,393.32 407.81,392.2 408.39,390.63 408.78,388.64 408.66,384.52 408.61,383.82 408.61,381.74 408.53,365.04 408.19,363.86 407.9,360.87 407.86,359.84 407.92,356.95 408.36,355.83 408.88,352.78 408.91,352.12 408.95,351.33 409.07,348.14 408.88,345.22 408.69,344.27 408.35,343.41 408.16,343.17 406.85,341.57 406.64,341.04 406.07,339.06 405.96,332.46 405.97,332.15 406.05,331.7 406,330.31 405.97,328.97 405.84,327.37 405.79,326.55 405.71,325.59 405.7,324.58 405.59,321.48 405.62,320.26 405.56,318.95 R39.2 ; v1(365.59,399.97) 366.32,400.22 367.33,400.2 370.68,400.06 v1(371.84,400.06)
  Bottom w0.15: UB6.2 345.48,392.82 344.89,392.82 UB6.1 343.53,392.91 343.37,393.08 339.05,393.08 338.89,392.91 v1(338.89,392.84) 338.81,392.84 338.85,392.88 ; UB6.11 351.99,399.2 352.18,398.94 352.74,398.5 353.73,398.12 361.07,398.2 361.76,398.34 363.04,398.8 363.82,399.05 364.87,399.64 v1(365.59,399.97) ; 419.09,305.5 419.11,305.5 ; 419.09,305.5 419.31,305.04 UG8.2 ; 419.09,305.5 418.42,306.17 417.93,306.47 417.53,306.67 416.55,306.94 415.3,307.15 412.96,308.09 411.55,308.88 409.91,310.14 408.74,311.95 407.84,314.25 406.85,316.21 R39.2 ; v1(406.05,396.05) 405.37,395.7 404.46,395.32 403.11,395.02 400.01,395.19 398.71,395.38 395.1,395.74 393.25,395.93 391.03,396.22 389.53,396.4 386.33,396.64 383.97,396.94 380.15,397.29 377.98,398.21 376.57,398.87 375.88,399.17 374.93,399.46 373.54,399.75 372.16,399.84 v1(371.84,400.06)
B7p6: length 63
  Top w0.15: v1(409.5,391.53) 409.69,391.09 409.7,390.07 409.65,375.77 409.61,372.57 409.49,364.54 v1(409.38,361.9)
  Bottom w0.15: UB7.6 393.18,391.34 392.64,390.58 393.78,389.87 394.65,389.55 394.73,389.55 396.66,389.54 398.54,390.09 401.31,390.81 402.94,391.13 403.87,391.38 404.05,391.44 404.95,391.65 405.89,391.78 408.35,391.62 408.92,391.54 408.92,391.5 409.47,391.5 v1(409.5,391.53) ; v1(409.38,361.9) 410.59,361.9 411.09,361.93 412.18,362.01 413.18,362.12 415.03,362.16 416.11,362.21 418.03,362.12 419.12,361.96 419.99,361.7 421.24,360.83 421.91,360.02 UD8.3
B7p8: length 80
  Bottom w0.15: UB7.8 397.29,399.84 399.96,399.74 401.71,399.75 403.36,399.6 405.68,398.82 408.11,397.85 410.4,397.13 412.11,396.7 418.47,396.37 420.86,396.36 431.25,396.17 432.44,396.21 434.61,396.06 436.36,395.48 438.06,394.7 438.82,394.03 439.61,393.13 440.15,391.37 440.4,389.01 440.49,387.67 440.43,385.81 440.35,381.94 440.29,380.1 440.26,378.77 440.15,374.73 438.18,372.52 435.82,371.62 434.42,371.02 432.45,370.46 430.56,369.8 428.29,368.51 427.82,368.02 427.4,367.46 426.93,366.65 UD8.10
B7p9: length 227.2
  Top w0.15: v1(403.42,397.33) 402.97,396.36 402.32,395.38 402.03,394.6 401.8,394.14 401.34,392.24 401.46,386.11 v1(401.28,384.68) 401.39,384.26 401.5,383.87 401.48,382.46 401.48,381.5 401.31,374.64 401.34,373.97 401.37,373.24 401.44,370.36 401.55,369.51 401.81,368.41 402.21,366.48 402.61,364.69 402.58,361.38 402.49,359.74 402.44,357.12 402.44,356.15 402.42,355.33 402.53,354.47 402.86,353 403.11,352.31 403.49,351.33 403.58,349.3 403.4,347.79 403.26,346.66 403.13,345.63 403.14,345.17 402.91,342.96 402.79,341.26 402.79,340.78 402.76,336.95 402.82,335.89 402.92,330.18 403.04,329.4 403.21,328.15 403.31,327.77 v1(403.43,326.17) 403.23,325.68 403.11,325.31 402.79,323.69 402.71,323.05 402.53,321.21 402.54,320.1 402.54,317.55 402.58,316.94 402.69,315.62 402.81,314.68 402.94,313.76 403.25,312.44 403.57,309.85 403.03,307.54 v1(403.03,307.23)
  Bottom w0.15: v1(401.28,384.68) 399.45,385.58 398.07,385.84 394.3,385.8 393.39,385.83 378.31,385.79 377.3,385.68 374.5,385.93 374.49,385.92 373.49,385.79 371.69,385.62 369.4,385.36 368.03,385.2 364.9,384.87 363.68,384.75 362.07,384.58 360.01,384.3 359.58,384.21 UC6.8 ; UG6.5 353.95,303.46 354.19,303.19 355.49,302.09 357.09,301.97 358.05,302.02 358.33,302.01 359.64,302.15 360.56,302.54 361.99,303.31 362.52,303.64 364.2,304.43 365.25,304.64 365.81,304.75 367.13,304.85 369.22,305.06 369.54,305.19 371.02,305.6 371.82,305.92 372.88,306.23 373.62,306.39 375.2,306.42 376.08,306.44 376.63,306.39 378.49,306.36 381.09,306.36 383.11,306.38 387.71,306.38 387.96,306.4 388.36,306.34 394,306.34 394.34,306.36 395.55,306.38 396.55,306.47 397.55,306.53 400.57,306.74 400.99,306.73 401.86,306.9 v1(403.03,307.23) ; UB7.9 393.18,398.27 393.37,398.09 394.19,397.46 395.77,397.28 396.96,397.31 401.17,397.26 v1(403.42,397.33) ; UG8.12 421.91,311.13 421.53,310.26 420.92,309.7 420.11,309.17 419.42,309.17 418.41,309.23 415.51,310.07 413.6,310.96 412.96,311.53 411.79,312.47 410.4,314.16 409.74,314.99 408.06,317.57 406.45,320.44 405.6,321.67 404.88,323.06 404.07,324.8 v1(403.43,326.17)
B8p12: length 9.3
  Top w0.15: UB8.12 421.21,398.35 420.44,397.38 420.44,397.35 419.95,396.96 418.99,396.02 418.35,395.29 417.69,394.37 417.13,393.02 UB8.1
B51: length 288.3
  Top w0.15: 89.18,92.9 88,91.6 87.98,91.6 v1(87.31,90.93) 87.36,90.98 ; 89.18,92.9 88.89,92.42 ; 89.18,92.9 90.14,93.95 90.61,94.46 90.99,94.98 91.92,95.82 92.34,96.39 92.54,96.86 92.93,97.37 93.25,98.31 93.52,99.15 93.52,102.1 93.41,102.67 93.33,103.45 93.25,104.72 92.98,106.12 92.81,107.77 92.71,108.66 92.63,110.59 92.68,111.83 92.83,113.78 92.88,113.82 92.89,115.24 93,116.04 93.1,116.68 93.05,116.73 93.3,119.27 93.16,120.76 93.06,121.39 92.66,122.93 92.07,124.05 91.64,124.95 90.66,126.38 90.44,126.77 90.39,126.77 89.29,128.08 87.95,128.89 86.6,129.24 85.65,129.09 84.97,128.49 84.74,128.32 84.74,128.25 84.41,127.82 83.54,126.59 83.44,126.26 83.16,125.77 82.73,125.1 ; v1(182.34,59.43) 182.45,59.54 182.45,65.8 182.51,66.24 182.49,67.53 182.54,72.12 182.63,72.2 182.43,74.59 182.48,76 182.44,77.07 182.44,83.94 182.39,83.98 182.49,84.08 182.49,87.95 182.37,88.07 182.2,94.06 182.14,94.87 182.14,96.75 181.96,98.11 181.51,101.12 181.07,102.95 181.21,106.62 181.41,107.72 181.7,110.17 182.11,112.23 182.24,127.78 182.07,127.95 182.37,155.36 182.49,156.28 182.51,156.96 182.76,157.91 183,158.91 183.98,160.59 184.22,161.6 184.26,161.64 184.26,163.2 184.04,163.76 v1(183.74,164.47) ; 82.73,125.1 82.33,124.62 81.7,123.92 81.54,123.92 80.26,122.64 J2.51 ; 82.73,125.1 82.73,125.15
  Bottom w0.15: v1(183.74,164.47) 184.55,164.36 185.92,164.3 190.25,164.34 191.31,164.42 192.45,164.42 193.3,163.95 UP2.2 ; v1(182.34,59.43) 181.42,59.75 180.46,60.32 179.85,60.64 179.83,60.64 178.87,61.23 178.92,61.2 177.25,61.85 175.69,61.85 174.25,61.86 173.09,61.83 170.08,61.79 169.24,61.79 166.65,61.66 164.25,61.52 161.96,61.32 160.37,61.2 156.68,60.84 155.72,60.75 154.65,60.64 153.69,60.53 152.63,60.42 150.55,60.28 147.92,59.86 146.49,59.37 144.94,58.85 143.18,58.43 142.03,58.35 140.59,58.35 136.74,59.02 135.53,59.49 134.55,59.57 131.58,59.74 130.26,59.83 126.2,59.97 124.51,60.15 117.2,60.29 116.6,60.33 115.19,60.37 113.71,60.37 112.74,60.46 110.28,60.41 109.64,60.42 108.88,60.4 107.24,60.54 104.88,62.1 104.11,62.83 103.34,63.64 100.69,66.86 99.95,67.79 98.68,69.42 97.95,70.48 96.41,72.73 95.39,74.32 94.26,76.03 93.62,77.24 92.4,79.25 91.39,81.12 90.47,82.55 89.93,83.53 89.5,84.33 88.96,85.19 87.98,87.09 87.26,88.78 87,89.83 86.93,90.21 87.08,90.61 v1(87.31,90.93)
B52: length 265.4
  Top w0.15: v1(97.38,90.82) 97.03,92.28 96.76,92.91 96.42,94.72 95.61,97.55 95.57,98.74 95.5,99.92 95.39,100.34 95.29,101.39 94.93,103.79 94.81,105.16 94.61,106.93 ; 94.61,106.93 94.48,107.6 94.38,108.68 94.29,112.03 94.45,113.87 94.52,115.53 94.61,116.45 94.77,118.38 94.81,118.96 94.82,119.76 94.87,120.45 94.76,121.67 94.67,122.44 94.41,123.29 93.64,125.1 93.45,125.43 93.13,125.91 92.77,126.38 92.01,127.47 91.22,128.31 90.84,128.84 89.93,129.74 89.18,130.29 87.99,130.66 86.83,130.95 86.18,131.01 v1(85.31,131.2) ; 94.61,106.93 94.63,106.92
  Bottom w0.15: J2.52 81.97,123.49 83.25,124.26 84.47,125.9 85.12,127.59 85.7,129.56 85.72,130.4 85.68,130.82 v1(85.31,131.2) ; 292.44,76.08 291.79,76.13 290.91,76.31 289.94,76.47 287.6,76.96 286.51,77.22 285.42,77.47 284.6,77.75 281.77,78.59 279.17,79.3 269.02,79.41 267.14,79.36 260.65,79.34 259.04,79.33 233.52,79.47 232.6,79.54 231.2,79.48 229.99,79.11 227.59,78.28 226.59,77.99 225.96,77.77 223.57,77.73 222.72,77.63 221.99,77.43 221.69,77.22 220.56,75.57 220.31,74.63 219.54,73.24 218.91,72.61 218.38,72.23 217.48,71.63 216.3,71.11 214.46,70.54 212.7,70.4 210.58,70.18 209.42,70.1 209.24,70.08 207.22,69.85 206.18,69.78 204.3,69.57 203.16,69.57 190.72,69.42 189.85,69.46 189.29,69.55 186.42,69.79 185.3,69.97 182.32,70.58 180.84,71.09 180.02,71.62 178.24,72.98 176.94,73.67 176.27,73.87 174.8,74.31 173.54,74.94 172.75,75.37 170.49,77.12 168.79,78.32 165.25,80.64 163.46,81.33 161.02,82.01 158.23,82.6 155.99,82.9 154.62,82.9 152.09,82.53 150.32,81.95 148.49,81.53 147.89,81.41 147.32,81.3 146.01,81.26 143.28,81.13 132.76,81.26 130.1,81.22 126.89,81.27 124.65,81.43 113.96,81.72 112.34,82.19 110.56,82.78 108.05,84.02 105.88,85.16 104.02,86.32 102.91,86.89 102.01,87.44 101.09,88.05 100.57,88.42 100.03,88.78 99.62,88.98 98.95,89.4 98.62,89.67 97.6,90.45 v1(97.38,90.82)
BOT: length 158.2
  Top w0.15: v1(169.72,94.87) 169.35,94.87 168.4,95.92 168,97.48 167.92,98.28 168,103.37 168.43,106.79 168.24,107.46 v1(168.47,107.69) ; 83.27,117.33 83.19,117.33 v1(83.16,117.36) 83.13,117.33 82.96,117.33 80.83,119.47 J2.53
  Bottom w0.15: v1(83.16,117.36) 83.45,116.41 86.25,114.59 88.1,113.77 89.56,113.06 91.61,112.24 93.15,111.7 95.86,110.71 97.98,109.92 103.53,108.39 106.34,107.38 109.44,106.47 111.41,106.28 114.07,106.26 115.4,106.27 117.4,105.7 118.95,105.3 119.88,105.14 122.46,104.74 124.84,104.55 125.28,104.5 125.89,104.51 126.57,104.54 127.39,104.5 133.42,104.56 145.46,104.93 146.44,104.93 147.73,104.9 149.73,104.88 150.99,104.92 155.5,105.01 159,105.57 162.79,105.89 165.93,106.67 167.05,107.03 167.93,107.45 v1(168.47,107.69) ; v1(169.72,94.87) 169.99,94.76 171,94.26 171.96,93.8 173.58,93.3 175.37,92.76 176.2,92.48 177.13,92.22 178.18,91.95 179.7,91.53 180.81,91.24 181.76,91.03 182.59,90.81 183.71,90.56 184.25,90.42 186.35,89.97 186.89,89.87 187.39,89.76 187.64,89.73 UU2.1 188.81,88.66 188.85,88.5 189.16,87.97 189.81,86.91 190.13,86.45 190.81,85.21 191.14,84.74 191.34,84.33 192.24,83.15 192.79,82.6 193.51,81.93 194.84,81.5 196.92,81.33 198.5,81.3 200.19,81.43 201.23,81.63 203.14,82.16 204.61,82.58 205.74,82.98 207.01,83.43 208.07,83.74 208.55,84.47 R64.1 209.24,87.05 R63.1
C0p6: length 32.6
  Bottom w0.2: 122.64,378.76 122.93,380.15 123.84,380.67 128.07,380.77 129.84,380.73 ; 129.84,380.73 R10.1 ; 129.84,380.73 131.5,380.74 133.58,380.7 148.85,380.76 149.78,380.41 150.7,379.46 UC1.2
C0p8: length 29.5
  Bottom w0.15: UC0.8 125.53,386.74 126.18,386.74 128.42,386.71 R94.1 130.8,385.81 133.54,385.33 137.87,384.84 140.45,384.66 146.44,384.5 148.13,384.44 150.88,384.46 152.01,384.58 152.67,384.78 152.84,385.09 UC1.12
C1p6: length 336.6
  Top w0.15: UC2.2 190.98,378.88 191.04,379.59 191.1,381.49 191.08,381.52 v1(191.08,381.63) 190.97,381.63 190.95,381.65 ; v1(223.82,272.23) 223.94,274.72 224.13,287.95 223.61,289.12 223.02,290.48 222.4,291.72 222.34,292.95 222.31,292.98 222.31,299.58 222.4,299.67 222.4,306.77 222.28,308.99 222.12,330.22 222.12,331.76 222.28,335.74 222.25,336.93 222.38,337.97 222.4,339.07 v1(222.5,341.02) 222.53,341.05 222.81,344.29 223.02,345.37 222.7,347.97 222.21,350.2 221.14,352.45 220.46,353.55 219.93,354.61 219.84,364.53 219.75,366.02 220.17,373.49 220.28,375.29 220.32,376.65 220.61,377.94 220.33,381.84 v1(220.3,383.24)
  Bottom w0.15: 293.49,348.89 295.23,349.93 296.94,350.41 318.27,350.38 321.76,350.2 325.42,349.66 326.1,349.64 327.4,349.38 331.67,348.63 335.59,347.82 339.53,347.12 342.52,346.4 346.26,346.09 346.99,346.13 347.86,346.51 348.21,346.97 UE6.12
  Bottom w0.2: UC1.6 161.3,379.73 161.85,380.53 162.59,381.26 163.57,381.59 174.64,381.51 182.28,381.78 188.36,381.97 189.69,381.95 191.08,381.78 v1(191.08,381.63) 191.31,381.63 191.83,382.15 212.2,382.36 212.99,382.5 214.44,382.87 215.49,383.16 216.73,383.36 217.95,383.37 219.17,383.52 220.3,383.45 v1(220.3,383.24) 223.53,383.31 228.76,383.07 230.52,383.01 232.54,382.36 233.86,380.36 UC3.3 ; v1(222.5,341.02) 223.86,340.81 225.63,340.36 227.26,340.17 230.49,339.55 243.48,339.45 249.64,338.99 257.07,338.74 265.56,337.19 276.63,337.21 276.67,337.17 279.98,337.28 282.22,338.66 284.32,341.23 285.47,342.78 290.49,347.06 292.05,347.94 293.49,348.89 ; v1(223.82,272.23) 225.74,272.62 226.9,272.98 229.1,272.98 230.71,272.68 231.1,272.34 231.73,271.6 UJ3.2
C1p11: length 85.7
  Bottom w0.2: UC3.10 238.35,385.12 236.44,384.32 234.12,384.21 230.61,383.99 229.54,383.93 226.78,384.47 222.46,385.17 219.15,384.74 216,384.19 212.86,383.77 204.96,383.22 192.46,383.16 186.5,383.12 185.3,383.13 178.6,384.6 174.03,384.68 171.39,384.83 170.81,384.82 166.48,384.71 164.59,384.49 158.69,384.39 157.48,384.61 156.7,384.88 156.15,385.35 UC1.11
C1p13: length 12.2
  Bottom w0.2: UC1.13 150.58,387.62 150.43,387.94 149.86,388.61 148.7,389.15 147.6,389.09 145.44,389.14 C31.2 143.58,386.47 R94.2
